# Altium PCB PCB1.PcbDoc (part 3 of 5) (continued)
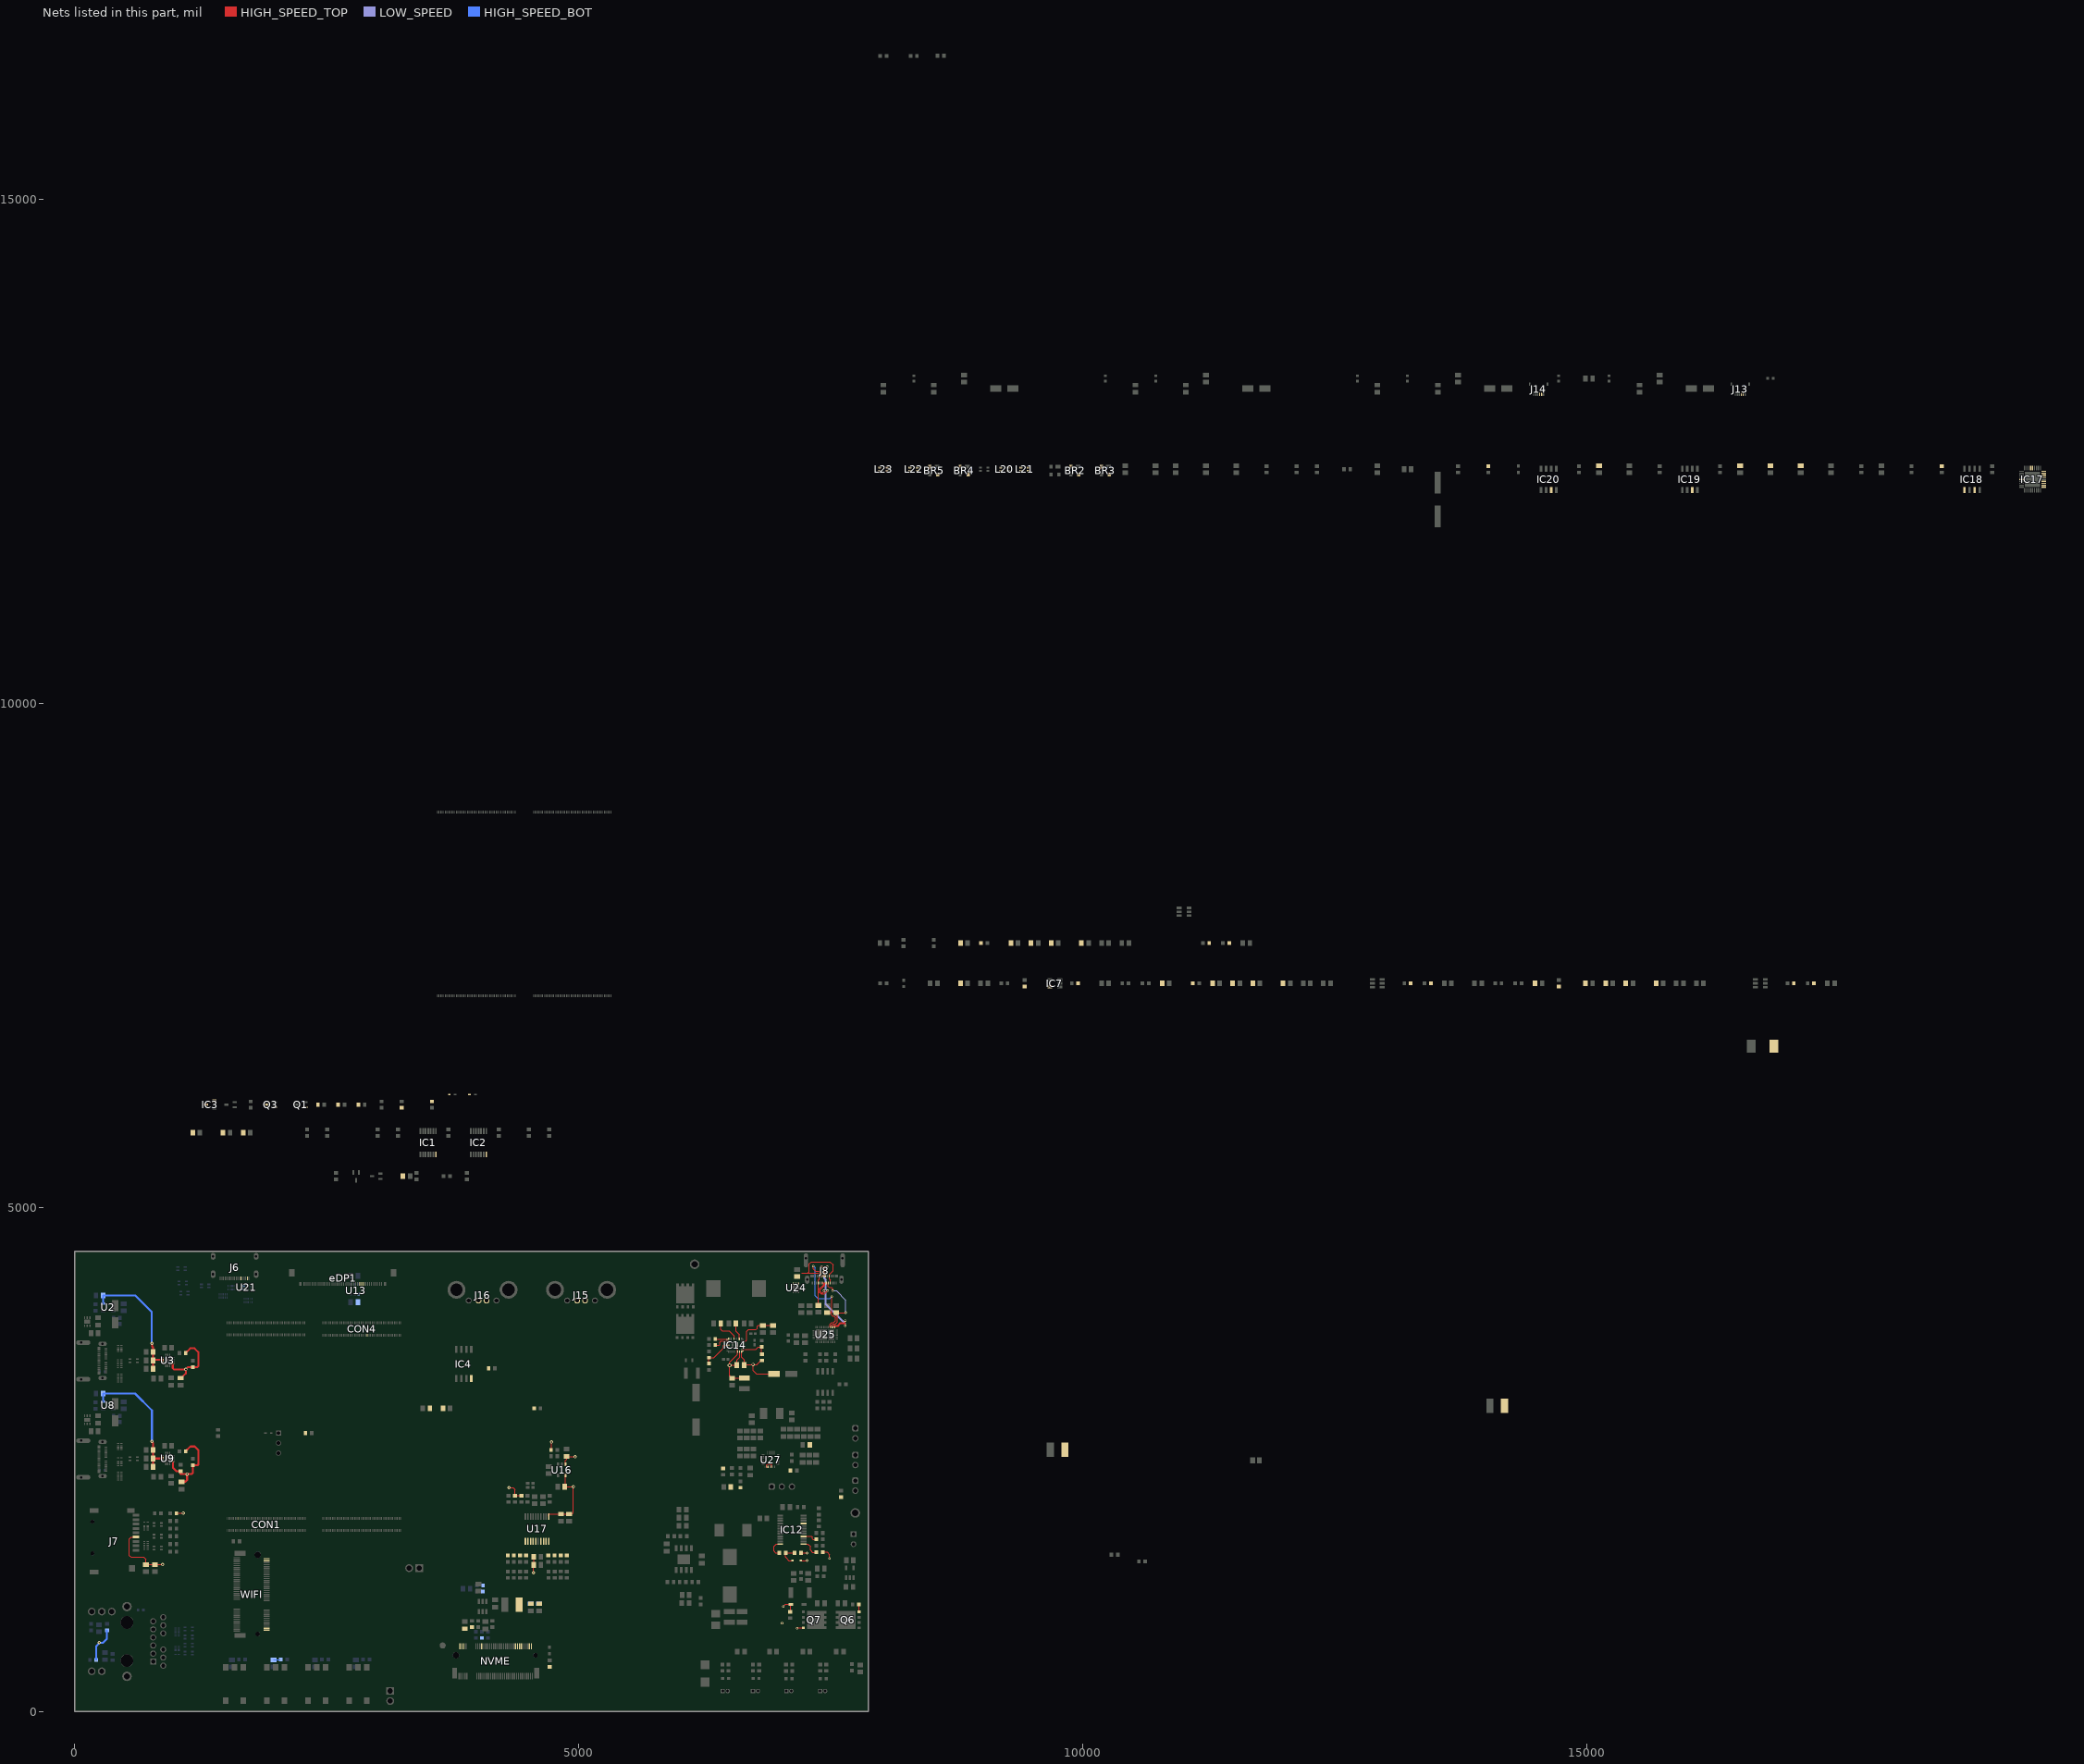
[diagram p9: the nets of this part, all layers, seen from the top]
## Part data (continued)
L11: "3.3 µH Shielded Drum Core, Wirewound Inductor 8.5 A 22mOhm Max Nonstandard", Mfr_Name=Sunlord
L12 L13 L14: "2.2 µH Shielded Drum Core, Wirewound Inductor 4.3 A 48mOhm Max Nonstandard", Manufacturer=Sunlord, Supplier Part Number=3442-WPN4020H2R2MTCT-ND, Category="Fixed Inductors", Manufacturer Part Number=WPN4020H2R2MT, Mfr_Name=Sunlord, RoHS=No, Supplier=Digikey, Type="Fixed Inductors"
L15 L24 L25 L26 L27: "Ferrite Beads Power Chip 21Ohm 30% 100MHz 6A 0.004Ohm DCR 0805 Automotive T/R", Case Code (Imperial)=0805, Case Code (Metric)=2012, Frequency=100MHz, Manufacturer="Taiyo Yuden", Manufacturer_Name="TAIYO YUDEN", Max Current Rating=6A, Max Operating Temperature=125°C, Min Operating Temperature=-40°C, Mouser Part Number=963-FBMJ2125HM210NT, Package Quantity=4000, Supplier Part Number=587-1765-1-ND, Tolerance=30%, Arrow Part Number=FBMJ2125HM210NT, Arrow Price/Stock=https://www.arrow.com/en/products/fbmj2125hm210nt/taiyo-yuden?region=nac, Case/Package=0805, Category="Ferrite Beads and Chips", ComponentLink1Description=https://datasheet.ciiva.com/6212/fbmj2125hm210nt-ss-6212912.pdf?src-supplier=Digikey, ComponentLink1URL=https://datasheet.ciiva.com/6212/fbmj2125hm210nt-ss-6212912.pdf?src-supplier=Digikey, ComponentLink2Description=https://datasheet.ciiva.com/25614/0900766b810b37be-25614411.pdf?src-supplier=Rs, ComponentLink2URL=https://datasheet.ciiva.com/25614/0900766b810b37be-25614411.pdf?src-supplier=Rs, ComponentLink3Description=https://datasheet.ciiva.com/6212/chipbeads01-e-6212908.pdf?src-supplier=Digikey, ComponentLink3URL=https://datasheet.ciiva.com/6212/chipbeads01-e-6212908.pdf?src-supplier=Digikey, ComponentLink4Description=https://datasheet.ciiva.com/6212/chipbeads01-e-6212907.pdf?src-supplier=Digikey, ComponentLink4URL=https://datasheet.ciiva.com/6212/chipbeads01-e-6212907.pdf?src-supplier=Digikey, Core Material=Ferrite, Datasheet Link=https://datasheet.datasheetarchive.com/originals/distributors/Datasheets-DGA6/557945.pdf, Depth=1.45mm, Halogen Free="Halogen Free", Height=1.05mm, Impedance=21R, Lead Free="Lead Free", Length=2mm, Manufacturer Part Number=FBMJ2125HM210NT, Manufacturer_Part_Number=FBMJ2125HM210NT, Material=Ferrite, Max DC Current=6A, Mounting Technology="Surface Mount", Mouser Price/Stock=https://www.mouser.co.uk/ProductDetail/TAIYO-YUDEN/FBMJ2125HM210NT?qs=I6KAKw0tg2zeLlwEEK9qzQ%3D%3D, Number of Lines=1, Packaging="Tape and Reel", Pins=2, Pricing="1=0.11, 10=0.081, 25=0.07, 50=0.063, 100=0.0563, 250=0.04844, 500=0.04302, 1000=0.03801 (USD)", Reach SVHC Compliant=Unknown, RoHS=Yes, RoHS Compliant=Yes, Series=FB, Shielding=Unshielded, Stock=27778, Supplier=Digikey, Termination=SMD/SMT, Test Frequency=100MHz, Width=1.25mm
L16: "Inductor, Shielded Drum Core, Powdered Iron, 1 uH, 7 A, 0.0181 ohm, SMD", Manufacturer=Vishay-Dale, Supplier Part Number 1=541-1218-1-ND, Value1="0.0181 ohm", Value2=7A, AEC Category=Q200, AEC Qualified=?, ComponentLink1Description="Datasheet link", ComponentLink1URL=http://www.vishay.com/docs/34261/lp20bz11.pdf, CompType=Inductor, DCR_ohm=0.0181, Green_EU RoHS=Passed, Green_EU RoHS-2=Passed, Green_Lifecycle=Active, Green_REACh=Passed, Imax_A=7A, Ind_H=1µH, Irms="7.5A @ 40C rise", Isat="7A @ 20% inductance drop", LatestRevisionDate=2017-06-02, Material="Powdered Iron", MountType=SMT, PackageReference=5.49x2x5.18mm, PartNumber=IHLP2020BZER1R0M11, Published=2008-06-26, Publisher="Texas Instruments", RoHS=Y, SizeArea_mm2=28.4382, SizeAreaWB_mm2=53.7782, SizeX_mm=5.49, SizeY_mm=5.18, SizeZ_mm=2, Supplier 1=Digi-Key, Technology="Shielded Drum Core"
L17: library part PA4343.822ANLT, "Inductor Power Shielded/Molded Wirewound 8.2uH 20% 100KHz 15A 0.0138Ohm DCR Automotive T/R", Manufacturer=Pulse, Manufacturer_Name="Pulse Electronics", Mouser Part Number=673-PA4343.822ANLT, Supplier Part Number=553-4028-1-ND, Arrow Part Number=PA4343.822ANLT, Arrow Price/Stock=https://www.arrow.com/en/products/pa4343.822anlt/pulse-electronics-corporation?region=nac, Category="Fixed Inductors", ComponentLink1Description=http://www.farnell.com/datasheets/2675079.pdf?src-supplier=Farnell, ComponentLink1URL=http://www.farnell.com/datasheets/2675079.pdf?src-supplier=Farnell, ComponentLink2Description=http://www.farnell.com/datasheets/2675079.pdf?src-supplier=Newark, ComponentLink2URL=http://www.farnell.com/datasheets/2675079.pdf?src-supplier=Newark, ComponentLink3Description=https://datasheet.octopart.com/PA4343.822ANLT-Pulse-datasheet-168964606.pdf?src-supplier=Master+Electronics, ComponentLink3URL=https://datasheet.octopart.com/PA4343.822ANLT-Pulse-datasheet-168964606.pdf?src-supplier=Master+Electronics, Datasheet Link=http://products.pulseelex.com/files/product_files/P793_782.pdf, Height=6.5mm, Manufacturer Part Number=PA4343.822ANLT, Manufacturer_Part_Number=PA4343.822ANLT, Mouser Price/Stock=https://www.mouser.co.uk/ProductDetail/Pulse-Electronics/PA4343.822ANLT?qs=chTDxNqvsym%252BqHcAYy%2ForA%3D%3D, Pricing="1=1.62, 10=1.331, 100=1.0943 (USD)", RoHS=Yes, Stock=1844, Supplier=Digikey
L18: "WE-LHMI SMT POWER INDUCTOR General Purpose Inductor, 4.7uH, 20%, 1 Element, Powdered Iron-Core, SMD, 4339", Case/Package=Nonstandard, Current Rating=7A, DC Resistance (DCR)=15.5mR, Frequency=16MHz, Inductance Tolerance=20%, Manufacturer="Wurth Electronics", Manufacturer_Name="Wurth Elektronik", Max Operating Temperature=125°C, Min Operating Temperature=-40°C, Mouser Part Number=710-74437368047, Package Quantity=1, Saturation Current=19A, Supplier Part Number=732-3389-1-ND, Test Frequency=100kHz, Category="Fixed Inductors", ComponentLink1Description=https://datasheet.ciiva.com/1060/74437368047-1060832.pdf?src-supplier=Digikey, ComponentLink1URL=https://datasheet.ciiva.com/1060/74437368047-1060832.pdf?src-supplier=Digikey, ComponentLink2Description=https://datasheet.ciiva.com/7691/1735873-7691597.pdf?src-supplier=Element14, ComponentLink2URL=https://datasheet.ciiva.com/7691/1735873-7691597.pdf?src-supplier=Element14, ComponentLink3Description=https://datasheet.ciiva.com/4961/74437368047-68825-4961315.pdf?src-supplier=Mouser, ComponentLink3URL=https://datasheet.ciiva.com/4961/74437368047-68825-4961315.pdf?src-supplier=Mouser, Core Material=Ferrite,Composite, Depth=10mm, ESR=15.5mR, Height=3.8mm, Height - Seated (Max)=0.157inch, Length=11mm, Manufacturer Part Number=74437368047, Manufacturer_Part_Number=74437368047, Max DC Current=7A, Mounting Technology="Surface Mount", Mouser Price/Stock=https://www.mouser.co.uk/ProductDetail/Wurth-Elektronik/74437368047?qs=cFlH0mFHHFp7ho41z0ed1Q%3D%3D, Packaging="Tape and Reel", Pricing="1=2.31, 10=2.264, 50=2.089, 100=1.9152, 250=1.82792 (USD)", Reach SVHC Compliant=Unknown, RMS Current (Irms)=7A, RoHS=Yes, RoHS Compliant=Yes, Self Resonant Frequency=16MHz, Series=WE-LHMI, Shielding=Shielded, Stock=3359, Supplier=Digikey, Termination=SMD/SMT, Tolerance=20%, Width=10mm
LED1 LED8: library part GREEN, "WL-SMCD Mono-color Chip LED Diffused, SMT, size 0603, Green, 3.2V, 140°", Case/Size Code=0603, Emitting Color=Green, Forward Voltage=3.2V, Manufacturer="Wurth Elektronik", Manufacturer Part Number=150060GS55040, Operating Temperature Max=85°C, Operating Temperature Min=-40°C, Category="Signal LEDs", Chip Technology=InGaN, ComponentLink1Description="Website Link", ComponentLink1URL=https://www.we-online.com/redexpert/article/150060GS55040?ad, ComponentLink2Description="Datasheet Link", ComponentLink2URL=https://www.we-online.com/redexpert/spec/150060GS55040?ad, Dominant Wavelength=525nm, Height=0.4mm, Length=1.6mm, Luminous Intensity=430mcd, Match Code=WL-SMCD, Mount="Surface Mount", Packaging="Tape and Reel", Peak Wavelength=520nm, Viewing Angle=140°, Width=0.8mm, Simulation ModelName=0603_150060GS55040, Simulation PortMap=(1:2),(2:1)
LED2: library part BLUE, "WL-SMCD Mono-color Chip LED Diffused, SMT, size 0603, Blue, 3.2V, 140°", Case/Size Code=0603, Emitting Color=Blue, Forward Voltage=3.2V, Manufacturer="Wurth Elektronik", Manufacturer Part Number=150060BS55040, Operating Temperature Max=85°C, Operating Temperature Min=-40°C, Category="Signal LEDs", Chip Technology=InGaN, ComponentLink1Description="Website Link", ComponentLink1URL=https://www.we-online.com/redexpert/article/150060BS55040?ad, ComponentLink2Description="Datasheet Link", ComponentLink2URL=https://www.we-online.com/redexpert/spec/150060BS55040?ad, Dominant Wavelength=470nm, Height=0.4mm, Length=1.6mm, Luminous Intensity=80mcd, Match Code=WL-SMCD, Mount="Surface Mount", Packaging="Tape and Reel", Peak Wavelength=465nm, Viewing Angle=140°, Width=0.8mm, Simulation ModelName=0603_150060BS55040, Simulation PortMap=(1:2),(2:1)
LED3 LED4 LED5 LED6 LED7: library part LED_Gr_SMD, "LED, Green, SMD", Color=green, Manufacturer=Lite-On, Power_TotalModule=100mW, Value1=0.1W, Value2=2.1V, ComponentLink1Description="Datasheet link", ComponentLink1URL=https://sps06.itg.ti.com/sites/KMS/crossdivteams/altium/docs/ComponentDatasheets/LTST-C190GKT.pdf, CompType=LED, Io_A=20mA, MountType=SMT, PackageReference=1.6x0.8x0.8mm, PartNumber=LTST-C190GKT, RoHS=Y, Type=?, Vf_V=2.1V
Mask Power Recovery Reset: "Switch Tactile OFF (ON) SPST Round Button Gull Wing 0.05A 12VDC 100000Cycles 1N SMD T/R", Manufacturer="Same Sky", Manufacturer Part Number=TS06-667-25-BK-100-G-SMT-TR, Package=None, Supplier Part Number=2223-TS06-667-25-BK-100-G-SMT-TRCT-ND, Availability=Unavailable, MF="{'manufacturer': u'CUI'}", MP=TS06-667-25-BK-100-G-SMT-TR, Price=None, Pricing="1=0.28, 10=0.246, 25=0.23, 100=0.2062, 250=0.19112, 500=0.18036 (USD)", RoHS=No, Stock=1379, Supplier=Digikey
NVME: Package=None, Availability=Unavailable, MF="Amphenol Commercial", MP=MDT420M03001, Price=None
Q1 Q3 Q4 Q5: "N-Channel 30 V 100mA (Ta) 200mW (Ta) Surface Mount SOT-323", Manufacturer_Name=MCC, Mouser Part Number=833-2SK3018-TP, Arrow Part Number=2SK3018-TP, Arrow Price/Stock=https://www.arrow.com/en/products/2sk3018-tp/micro-commercial-components?region=europe, Datasheet Link=https://mccsemi.com/pdf/Products/2SK3018(SOT-323).pdf, Height=1.2mm, Manufacturer_Part_Number=2SK3018-TP, Mouser Price/Stock=https://www.mouser.co.uk/ProductDetail/Micro-Commercial-Components-MCC/2SK3018-TP?qs=MoCBKJu1Jj0hqZl4P%2F2qSQ%3D%3D
Q2: "No Description Available", Mfr_Name=onsemi, RefDes=RefDes, Type=Type
Q6 Q7 Q8 Q9: "MOSFET N-Channel 40 V 89A (Tc) 74W (Tc) Surface Mount 8-VSONP (5x6)", Manufacturer_Name="Texas Instruments", Mouser Part Number=595-CSD18514Q5A, Arrow Part Number=CSD18514Q5A, Arrow Price/Stock=https://www.arrow.com/en/products/csd18514q5a/texas-instruments?region=nac, Datasheet Link=http://www.ti.com/lit/gpn/csd18514q5a, Height=1.1mm, Manufacturer_Part_Number=CSD18514Q5A, Mouser Price/Stock=https://www.mouser.co.uk/ProductDetail/Texas-Instruments/CSD18514Q5A?qs=34RfhUjJmKfubXTJ%252BbkIEA%3D%3D
R1 R10 R23 R90 R114 R128 R147 R148 R160 R163 R166 R167 R169 R170 R171: library part ERJ-3GEYJ104V, "100K Ohm 5%  Res Thick Film 0603 1/10W +/-200ppm/ßC Molded SMD Punched Carrier T/R", Case Code (Imperial)=0603, Case Code (Metric)=1608, Manufacturer=Panasonic, Max Operating Temperature=155°C, Max Power Dissipation=100mW, Min Operating Temperature=-55°C, Mouser Part Number=667-ERJ-3GEYJ104V, Package Quantity=1, Resistance Tolerance=5%, Resistor Type="Thick Film", Supplier Part Number=P100KGCT-ND, Temperature Coefficient=200ppm/°C, Voltage Rating=75V, Voltage Rating (DC)=50V, Arrow Part Number=ERJ-3GEYJ104V, Arrow Price/Stock=https://www.arrow.com/en/products/erj-3geyj104v/panasonic?region=nac, Case/Package=0603, Category="Chip SMD Resistors", ComponentLink1Description=https://datasheet.ciiva.com/11809/0900766b80f806dd-11809567.pdf?src-supplier=Rs, ComponentLink1URL=https://datasheet.ciiva.com/11809/0900766b80f806dd-11809567.pdf?src-supplier=Rs, ComponentLink2Description=https://datasheet.ciiva.com/22758/1678796-22758220.pdf?src-supplier=Farnell, ComponentLink2URL=https://datasheet.ciiva.com/22758/1678796-22758220.pdf?src-supplier=Farnell, ComponentLink3Description=https://datasheet.ciiva.com/43460/1678796-43460761.pdf?src-supplier=Farnell, ComponentLink3URL=https://datasheet.ciiva.com/43460/1678796-43460761.pdf?src-supplier=Farnell, ComponentLink4Description=https://datasheet.ciiva.com/24159/aoa0000ce1-37422-24159717.pdf?src-supplier=Mouser, ComponentLink4URL=https://datasheet.ciiva.com/24159/aoa0000ce1-37422-24159717.pdf?src-supplier=Mouser, ComponentLink5Description=https://datasheet.ciiva.com/46380/1678796-46380412.pdf?src-supplier=Element14, ComponentLink5URL=https://datasheet.ciiva.com/46380/1678796-46380412.pdf?src-supplier=Element14, ComponentLink6Description=https://datasheet.ciiva.com/46389/1678796-46389629.pdf?src-supplier=Element14, ComponentLink6URL=https://datasheet.ciiva.com/46389/1678796-46389629.pdf?src-supplier=Element14, ComponentLink7Description=https://datasheet.ciiva.com/27055/1988495-27055706.pdf?src-supplier=Jameco, ComponentLink7URL=https://datasheet.ciiva.com/27055/1988495-27055706.pdf?src-supplier=Jameco, ComponentLink8Description=https://datasheet.ciiva.com/16762/70255313-16762591.pdf?src-supplier=Allied+Electronics, ComponentLink8URL=https://datasheet.ciiva.com/16762/70255313-16762591.pdf?src-supplier=Allied+Electronics, ComponentLink9Description=https://datasheet.ciiva.com/16508/aoa0000ce1-16508383.pdf?src-supplier=Future+Electronics, ComponentLink9URL=https://datasheet.ciiva.com/16508/aoa0000ce1-16508383.pdf?src-supplier=Future+Electronics, Construction=Rectangular, Contact Plating=Tin, Datasheet Link=http://docs-europe.electrocomponents.com/webdocs/13ba/0900766b813ba21b.pdf, Depth=0.8mm, Features="Automotive AEC-Q200", Height=0.55mm, Length=1.6mm, Manufacturer Part Number=ERJ-3GEYJ104V, Manufacturer_Name=Panasonic, Manufacturer_Part_Number=ERJ-3GEYJ104V, Military Standard=Not, Mounting Technology="Surface Mount", Mouser Price/Stock=https://www.mouser.co.uk/ProductDetail/Panasonic/ERJ-3GEYJ104V?qs=66DK8nO8gJC7IhSuep78kw%3D%3D, Number of Terminations=2, Packaging="Tape and Reel", Power Rating=100mW, Pricing="1=0.1, 10=0.033, 50=0.02, 100=0.0165, 500=0.01096, 1000=0.00939 (USD)", Reach SVHC Compliant=No, RoHS=Yes, RoHS Compliant=Yes, Series=ERJ, Stock=248896, Supplier=Digikey, Technology="THICK FILM", Termination=SMD/SMT, Tolerance=5%, Weight=7.1E-05oz, Width=0.8mm
R2 R3 R8 R9: library part ERJ-3GEYJ682V, "6.8 kOhm, ± 5%, 100 mW, 0603 [1608 Metric], Thick Film, General Purpose", Case Code (Imperial)=0603, Case Code (Metric)=1608, Manufacturer=Panasonic, Max Operating Temperature=155°C, Max Power Dissipation=100mW, Min Operating Temperature=-55°C, Package Quantity=1, Resistance Tolerance=5%, Resistor Type="Thick Film", Supplier Part Number=P6.8KGCT-ND, Temperature Coefficient=200ppm/°C, Voltage Rating=75V, Voltage Rating (DC)=50V, Arrow Part Number=ERJ-3GEYJ682V, Arrow Price/Stock=https://www.arrow.com/en/products/erj-3geyj682v/panasonic?region=nac, Case/Package=0603, Category="Chip SMD Resistors", ComponentLink1Description=https://datasheet.ciiva.com/11821/0900766b80f806dd-11821482.pdf?src-supplier=Rs, ComponentLink1URL=https://datasheet.ciiva.com/11821/0900766b80f806dd-11821482.pdf?src-supplier=Rs, ComponentLink2Description=https://datasheet.ciiva.com/6138/1500035-6138182.pdf?src-supplier=Farnell, ComponentLink2URL=https://datasheet.ciiva.com/6138/1500035-6138182.pdf?src-supplier=Farnell, ComponentLink3Description=https://datasheet.ciiva.com/6138/1500035-6138185.pdf?src-supplier=Farnell, ComponentLink3URL=https://datasheet.ciiva.com/6138/1500035-6138185.pdf?src-supplier=Farnell, ComponentLink4Description=https://datasheet.ciiva.com/9117/aoa0000ce1-9117352.pdf?src-supplier=Avnet, ComponentLink4URL=https://datasheet.ciiva.com/9117/aoa0000ce1-9117352.pdf?src-supplier=Avnet, ComponentLink5Description=https://datasheet.ciiva.com/30143/4aoa0000ce1-30143370.pdf?src-supplier=Onlinecomponents.com, ComponentLink5URL=https://datasheet.ciiva.com/30143/4aoa0000ce1-30143370.pdf?src-supplier=Onlinecomponents.com, ComponentLink6Description=https://datasheet.ciiva.com/16770/70255313-16770365.pdf?src-supplier=Allied+Electronics, ComponentLink6URL=https://datasheet.ciiva.com/16770/70255313-16770365.pdf?src-supplier=Allied+Electronics, ComponentLink7Description=https://datasheet.ciiva.com/16780/70255313-16780234.pdf?src-supplier=Allied+Electronics, ComponentLink7URL=https://datasheet.ciiva.com/16780/70255313-16780234.pdf?src-supplier=Allied+Electronics, ComponentLink8Description=https://datasheet.ciiva.com/22704/1500035-22704127.pdf?src-supplier=Element14, ComponentLink8URL=https://datasheet.ciiva.com/22704/1500035-22704127.pdf?src-supplier=Element14, ComponentLink9Description=https://datasheet.ciiva.com/28590/1678796-28590780.pdf?src-supplier=Element14, ComponentLink9URL=https://datasheet.ciiva.com/28590/1678796-28590780.pdf?src-supplier=Element14, ComponentLink10Description=https://datasheet.ciiva.com/28673/1678796-28673997.pdf?src-supplier=Element14, ComponentLink10URL=https://datasheet.ciiva.com/28673/1678796-28673997.pdf?src-supplier=Element14, ComponentLink11Description=https://datasheet.ciiva.com/24069/aoa0000ce1-37422-24069415.pdf?src-supplier=Mouser, ComponentLink11URL=https://datasheet.ciiva.com/24069/aoa0000ce1-37422-24069415.pdf?src-supplier=Mouser, Construction=Rectangular, Contact Plating=Tin, Datasheet Link=http://docs-europe.electrocomponents.com/webdocs/13ba/0900766b813ba21b.pdf, Depth=0.8mm, Features="Automotive AEC-Q200", Height=0.55mm, Lead Free="Contains Lead", Length=1.6mm, Manufacturer Part Number=ERJ-3GEYJ682V, Manufacturer_Name=Panasonic, Manufacturer_Part_Number=ERJ-3GEYJ682V, Military Standard=Not, Mounting Technology="Surface Mount", Number of Terminations=2, Packaging="Tape and Reel", Power Rating=100mW, Pricing="1=0.1, 10=0.033, 50=0.02, 100=0.0165, 500=0.01096, 1000=0.00939 (USD)", Radiation Hardening=No, Reach SVHC Compliant=Unknown, RoHS=Yes, RoHS Compliant=Yes, Series=ERJ, Stock=78088, Supplier=Digikey, Technology="THICK FILM", Termination=SMD/SMT, Tolerance=5%, Width=0.8mm
R4 R5 R11 R12 R41 R109 R110: library part ERJ-3GEYJ222V, "2.2 kOhm, ï¿½ 5%, 100 mW, 0603 [1608 Metric], Thick Film, General Purpose", Case Code (Imperial)=0603, Case Code (Metric)=1608, Manufacturer=Panasonic, Max Operating Temperature=155°C, Max Power Dissipation=100mW, Min Operating Temperature=-55°C, Mouser Part Number=667-ERJ-3GEYJ222V, Package Quantity=1, Resistance Tolerance=5%, Resistor Type="Thick Film", Supplier Part Number=P2.2KGCT-ND, Temperature Coefficient=200ppm/°C, Voltage Rating=75V, Voltage Rating (DC)=50V, Arrow Part Number=ERJ-3GEYJ222V, Arrow Price/Stock=https://www.arrow.com/en/products/erj-3geyj222v/panasonic?region=nac, Case/Package=0603, Category="Chip SMD Resistors", ComponentLink1Description=https://datasheet.ciiva.com/11821/0900766b80f806dd-11821453.pdf?src-supplier=Rs, ComponentLink1URL=https://datasheet.ciiva.com/11821/0900766b80f806dd-11821453.pdf?src-supplier=Rs, ComponentLink2Description=https://datasheet.ciiva.com/34303/1988639-34303614.pdf?src-supplier=Jameco, ComponentLink2URL=https://datasheet.ciiva.com/34303/1988639-34303614.pdf?src-supplier=Jameco, ComponentLink3Description=https://datasheet.ciiva.com/22758/1500035-22758223.pdf?src-supplier=Farnell, ComponentLink3URL=https://datasheet.ciiva.com/22758/1500035-22758223.pdf?src-supplier=Farnell, ComponentLink4Description=https://datasheet.ciiva.com/9117/aoa0000ce1-9117127.pdf?src-supplier=Avnet, ComponentLink4URL=https://datasheet.ciiva.com/9117/aoa0000ce1-9117127.pdf?src-supplier=Avnet, ComponentLink5Description=https://datasheet.ciiva.com/28584/1678796-28584095.pdf?src-supplier=Element14, ComponentLink5URL=https://datasheet.ciiva.com/28584/1678796-28584095.pdf?src-supplier=Element14, ComponentLink6Description=https://datasheet.ciiva.com/46380/1500035-46380411.pdf?src-supplier=Element14, ComponentLink6URL=https://datasheet.ciiva.com/46380/1500035-46380411.pdf?src-supplier=Element14, ComponentLink7Description=https://datasheet.ciiva.com/16760/70255313-16760341.pdf?src-supplier=Allied+Electronics, ComponentLink7URL=https://datasheet.ciiva.com/16760/70255313-16760341.pdf?src-supplier=Allied+Electronics, ComponentLink8Description=https://datasheet.ciiva.com/16765/70255313-16765244.pdf?src-supplier=Allied+Electronics, ComponentLink8URL=https://datasheet.ciiva.com/16765/70255313-16765244.pdf?src-supplier=Allied+Electronics, ComponentLink9Description=https://datasheet.ciiva.com/16199/aoa0000ce1-16199902.pdf?src-supplier=Future+Electronics, ComponentLink9URL=https://datasheet.ciiva.com/16199/aoa0000ce1-16199902.pdf?src-supplier=Future+Electronics, Construction=Rectangular, Contact Plating=Tin, Datasheet Link=http://docs-europe.electrocomponents.com/webdocs/13ba/0900766b813ba21b.pdf, Depth=0.8mm, Features="Automotive AEC-Q200", Height=0.55mm, Lead Free="Lead Free", Length=1.6mm, Manufacturer Part Number=ERJ-3GEYJ222V, Manufacturer_Name=Panasonic, Manufacturer_Part_Number=ERJ-3GEYJ222V, Military Standard=Not, Mounting Technology="Surface Mount", Mouser Price/Stock=https://www.mouser.co.uk/ProductDetail/Panasonic/ERJ-3GEYJ222V?qs=4WZYzuGhm5pzxkuuO4fqIg%3D%3D, Number of Terminations=2, Packaging="Tape and Reel", Power Rating=100mW, Pricing="1=0.1, 10=0.033, 50=0.02, 100=0.0165, 500=0.01096, 1000=0.00939 (USD)", Radiation Hardening=No, Reach SVHC Compliant=No, RoHS=Yes, RoHS Compliant=Yes, Series=ERJ, Stock=308618, Supplier=Digikey, Technology="THICK FILM", Termination=SMD/SMT, Tolerance=5%, Width=0.8mm, Working Voltage=75V
R6 R7 R19 R20 R21 R42 R43 R74 R79 R80 R84 R85 R89 R93 R94 R98 R99 R162: library part ERJ-3GEY0R00V, "Zero Ohm Resistor, Jumper, 0603 [1608 Metric], Thick Film, 100 mW, 1 A, Surface Mount", Case Code (Imperial)=0603, Case Code (Metric)=1608, Manufacturer=Panasonic, Max Operating Temperature=155°C, Max Power Dissipation=100mW, Min Operating Temperature=-55°C, Mouser Part Number=667-ERJ-3GEY0R00V, Package Quantity=5000, Ratings=AEC-Q200, Resistor Type="Thick Film", Supplier Part Number=P0.0GCT-ND, Temperature Coefficient=200ppm/°C, Tolerance=0%, Voltage Rating=75V, Arrow Part Number=ERJ-3GEY0R00V, Arrow Price/Stock=https://www.arrow.com/en/products/erj3gey0r00v/panasonic?region=europe, Case/Package=0603, Category="Chip SMD Resistors", ComponentLink1Description=https://datasheet.ciiva.com/11808/0900766b80f806dd-11808207.pdf?src-supplier=Rs, ComponentLink1URL=https://datasheet.ciiva.com/11808/0900766b80f806dd-11808207.pdf?src-supplier=Rs, ComponentLink2Description=https://datasheet.ciiva.com/27055/1935748-27055113.pdf?src-supplier=Jameco, ComponentLink2URL=https://datasheet.ciiva.com/27055/1935748-27055113.pdf?src-supplier=Jameco, ComponentLink3Description=https://datasheet.ciiva.com/5959/1678796-5959707.pdf?src-supplier=Farnell, ComponentLink3URL=https://datasheet.ciiva.com/5959/1678796-5959707.pdf?src-supplier=Farnell, ComponentLink4Description=https://datasheet.ciiva.com/43460/1678796-43460647.pdf?src-supplier=Farnell, ComponentLink4URL=https://datasheet.ciiva.com/43460/1678796-43460647.pdf?src-supplier=Farnell, ComponentLink5Description=https://datasheet.ciiva.com/48532/aoa0000ce1-48532165.pdf?src-supplier=Avnet, ComponentLink5URL=https://datasheet.ciiva.com/48532/aoa0000ce1-48532165.pdf?src-supplier=Avnet, ComponentLink6Description=https://datasheet.ciiva.com/28695/1678796-28695833.pdf?src-supplier=Element14, ComponentLink6URL=https://datasheet.ciiva.com/28695/1678796-28695833.pdf?src-supplier=Element14, ComponentLink7Description=https://datasheet.ciiva.com/16834/aoa0000ce1-16834828.pdf?src-supplier=Future+Electronics, ComponentLink7URL=https://datasheet.ciiva.com/16834/aoa0000ce1-16834828.pdf?src-supplier=Future+Electronics, ComponentLink8Description=https://datasheet.ciiva.com/16758/70255313-16758527.pdf?src-supplier=Allied+Electronics, ComponentLink8URL=https://datasheet.ciiva.com/16758/70255313-16758527.pdf?src-supplier=Allied+Electronics, ComponentLink9Description=https://datasheet.ciiva.com/30199/4aoa0000ce1-30199822.pdf?src-supplier=Onlinecomponents.com, ComponentLink9URL=https://datasheet.ciiva.com/30199/4aoa0000ce1-30199822.pdf?src-supplier=Onlinecomponents.com, ComponentLink10Description=https://datasheet.ciiva.com/46377/1678796-46377868.pdf?src-supplier=Element14, ComponentLink10URL=https://datasheet.ciiva.com/46377/1678796-46377868.pdf?src-supplier=Element14, ComponentLink11Description=https://datasheet.ciiva.com/9198/aoa0000ce1-9198975.pdf?src-supplier=Avnet, ComponentLink11URL=https://datasheet.ciiva.com/9198/aoa0000ce1-9198975.pdf?src-supplier=Avnet, Construction=Rectangular, Contact Plating=Tin, Datasheet Link=http://docs-europe.electrocomponents.com/webdocs/13ba/0900766b813ba21b.pdf, Depth=0.8mm, Features="Automotive AEC-Q200", Height=0.55mm, Lead Free=5697LeadFree, Length=1.6mm, Manufacturer Part Number=ERJ-3GEY0R00V, Manufacturer_Name=Panasonic, Manufacturer_Part_Number=ERJ-3GEY0R00V, Military Standard=Not, Mounting Technology="Surface Mount", Mouser Price/Stock=https://www.mouser.co.uk/ProductDetail/Panasonic/ERJ-3GEY0R00V?qs=66DK8nO8gJALIOqOWgiVwg%3D%3D, Number of Terminations=2, Packaging="Tape and Reel", Power Rating=100mW, Pricing="1=0.1, 10=0.02, 25=0.0164, 50=0.0144, 100=0.0126, 250=0.0106, 500=0.00936, 1000=0.0083 (USD)", Radiation Hardening=No, Reach SVHC Compliant=No, RoHS=Yes, RoHS Compliant=Yes, Series=ERJ, Stock=766631, Supplier=Digikey, Technology="THICK FILM", Termination=SMD/SMT, Width=0.8mm
R13 R22 R26 R27 R51 R52 R55 R57 R75 R76 R77 R81 R83 R86 R88 R95 R97 R100 R102 R104 R105 R106 R108 R117 R120 R127 R129 R164: library part ERJ-3GEYJ103V, "10K Ohm 5% Res Thick Film 0603  0.1W(1/10W) ±200ppm/C Pad SMD Automotive T/R", Case Code (Imperial)=0603, Case Code (Metric)=1608, Manufacturer=Panasonic, Max Operating Temperature=155°C, Max Power Dissipation=100mW, Min Operating Temperature=-55°C, Mouser Part Number=667-ERJ-3GEYJ103V, Package Quantity=1, Resistance Tolerance=5%, Resistor Type="Thick Film", Supplier Part Number=P10KGCT-ND, Temperature Coefficient=200ppm/°C, Voltage Rating=75V, Arrow Part Number=ERJ-3GEYJ103V, Arrow Price/Stock=https://www.arrow.com/en/products/erj-3geyj103v/panasonic?region=europe, Case/Package=0603, Category="Chip SMD Resistors", ComponentLink1Description=https://datasheet.ciiva.com/11809/0900766b80f806dd-11809566.pdf?src-supplier=Rs, ComponentLink1URL=https://datasheet.ciiva.com/11809/0900766b80f806dd-11809566.pdf?src-supplier=Rs, ComponentLink2Description=https://datasheet.ciiva.com/34303/2007265-34303757.pdf?src-supplier=Jameco, ComponentLink2URL=https://datasheet.ciiva.com/34303/2007265-34303757.pdf?src-supplier=Jameco, ComponentLink3Description=https://datasheet.ciiva.com/48531/aoa0000ce1-48531887.pdf?src-supplier=Avnet, ComponentLink3URL=https://datasheet.ciiva.com/48531/aoa0000ce1-48531887.pdf?src-supplier=Avnet, ComponentLink4Description=https://datasheet.ciiva.com/9117/aoa0000ce1-9117038.pdf?src-supplier=Avnet, ComponentLink4URL=https://datasheet.ciiva.com/9117/aoa0000ce1-9117038.pdf?src-supplier=Avnet, ComponentLink5Description=https://datasheet.ciiva.com/28514/1678796-28514213.pdf?src-supplier=Element14, ComponentLink5URL=https://datasheet.ciiva.com/28514/1678796-28514213.pdf?src-supplier=Element14, ComponentLink6Description=https://datasheet.ciiva.com/46371/1678796-46371909.pdf?src-supplier=Element14, ComponentLink6URL=https://datasheet.ciiva.com/46371/1678796-46371909.pdf?src-supplier=Element14, ComponentLink7Description=https://datasheet.ciiva.com/46385/1678796-46385240.pdf?src-supplier=Element14, ComponentLink7URL=https://datasheet.ciiva.com/46385/1678796-46385240.pdf?src-supplier=Element14, ComponentLink8Description=https://datasheet.ciiva.com/24133/aoa0000ce1-37422-24133064.pdf?src-supplier=Mouser, ComponentLink8URL=https://datasheet.ciiva.com/24133/aoa0000ce1-37422-24133064.pdf?src-supplier=Mouser, ComponentLink9Description=https://datasheet.ciiva.com/16740/aoa0000ce1-16740655.pdf?src-supplier=Future+Electronics, ComponentLink9URL=https://datasheet.ciiva.com/16740/aoa0000ce1-16740655.pdf?src-supplier=Future+Electronics, ComponentLink10Description=https://datasheet.ciiva.com/30147/4aoa0000ce1-30147029.pdf?src-supplier=Onlinecomponents.com, ComponentLink10URL=https://datasheet.ciiva.com/30147/4aoa0000ce1-30147029.pdf?src-supplier=Onlinecomponents.com, Construction=Rectangular, Contact Plating=Tin, Datasheet Link=http://docs-europe.electrocomponents.com/webdocs/13ba/0900766b813ba21b.pdf, Depth=0.8mm, Features="Automotive AEC-Q200", Height=0.55mm, Lead Free="Lead Free", Length=1.6mm, Manufacturer Part Number=ERJ-3GEYJ103V, Manufacturer_Name=Panasonic, Manufacturer_Part_Number=ERJ-3GEYJ103V, Military Standard=Not, Mounting Technology="Surface Mount", Mouser Price/Stock=https://www.mouser.co.uk/ProductDetail/Panasonic/ERJ-3GEYJ103V?qs=66DK8nO8gJBWgc%252B0VNNxzg%3D%3D, Number of Terminations=2, Packaging="Tape and Reel", Power Rating=100mW, Pricing="1=0.1, 10=0.033, 50=0.02, 100=0.0165, 500=0.01096, 1000=0.00939 (USD)", Reach SVHC Compliant=No, RoHS=Yes, RoHS Compliant=Yes, Series=ERJ, Stock=2191587, Supplier=Digikey, Technology="THICK FILM", Termination=SMD/SMT, Tolerance=5%, Weight=7.1E-05oz, Width=0.8mm, Working Voltage=75V
R14 R15 R16 R17: library part ERJ-3EKF5600V, "560 Ohm, ï¿½ 1%, 100 mW, 0603 [1608 Metric], Thick Film, Precision", Case Code (Imperial)=0603, Case Code (Metric)=1608, Manufacturer=Panasonic, Max Operating Temperature=155°C, Max Power Dissipation=100mW, Max Supply Voltage=5V, Min Operating Temperature=-55°C, Min Supply Voltage=3V, Output Current=2A, Output Voltage=35V, Package Quantity=1, Resistance Tolerance=1%, Resistor Type="Thick Film", Supplier Part Number=P560HCT-ND, Temperature Coefficient=100ppm/°C, Voltage Rating=75V, Case/Package=0603, Category="Chip SMD Resistors", ComponentLink1Description=https://datasheet.ciiva.com/3883/3984280s8821682n1386-3883650.pdf?src-supplier=Arrow+Electronics, ComponentLink1URL=https://datasheet.ciiva.com/3883/3984280s8821682n1386-3883650.pdf?src-supplier=Arrow+Electronics, ComponentLink2Description=https://datasheet.ciiva.com/5860/aoa0000ce2-5860665.pdf?src-supplier=Farnell, ComponentLink2URL=https://datasheet.ciiva.com/5860/aoa0000ce2-5860665.pdf?src-supplier=Farnell, ComponentLink3Description=https://datasheet.ciiva.com/30250/aoa0000ce2-30250751.pdf?src-supplier=Onlinecomponents.com, ComponentLink3URL=https://datasheet.ciiva.com/30250/aoa0000ce2-30250751.pdf?src-supplier=Onlinecomponents.com, ComponentLink4Description=https://datasheet.ciiva.com/22674/1678782-22674427.pdf?src-supplier=Element14, ComponentLink4URL=https://datasheet.ciiva.com/22674/1678782-22674427.pdf?src-supplier=Element14, ComponentLink5Description=https://datasheet.ciiva.com/9117/aoa0000ce2-9117192.pdf?src-supplier=Avnet, ComponentLink5URL=https://datasheet.ciiva.com/9117/aoa0000ce2-9117192.pdf?src-supplier=Avnet, ComponentLink6Description=https://datasheet.ciiva.com/16763/70260748-16763150.pdf?src-supplier=Allied+Electronics, ComponentLink6URL=https://datasheet.ciiva.com/16763/70260748-16763150.pdf?src-supplier=Allied+Electronics, ComponentLink7Description=https://datasheet.ciiva.com/16781/70260748-16781128.pdf?src-supplier=Allied+Electronics, ComponentLink7URL=https://datasheet.ciiva.com/16781/70260748-16781128.pdf?src-supplier=Allied+Electronics, ComponentLink8Description=https://datasheet.ciiva.com/22737/426256-22737578.pdf?src-supplier=Element14, ComponentLink8URL=https://datasheet.ciiva.com/22737/426256-22737578.pdf?src-supplier=Element14, ComponentLink9Description=https://datasheet.ciiva.com/28590/1678782-28590766.pdf?src-supplier=Element14, ComponentLink9URL=https://datasheet.ciiva.com/28590/1678782-28590766.pdf?src-supplier=Element14, Construction=Rectangular, Contact Plating=Tin, Depth=0.8mm, Features="Automotive AEC-Q200", Height=0.022inch, Lead Free="Lead Free", Length=1.6mm, Manufacturer Part Number=ERJ-3EKF5600V, Mfr_Name=Panasonic, Military Standard=Not, Mounting Technology="Surface Mount", Number of Terminations=2, Packaging="Tape and Reel", Power Rating=100mW, Pricing="1=0.1, 10=0.035, 100=0.0177, 1000=0.01014, 2500=0.00888 (USD)", Radiation Hardening=No, Reach SVHC Compliant=No, RoHS=Yes, RoHS Compliant=Yes, Series=ERJ, Stock=100259, Supplier=Digikey, Termination=SMD/SMT, Tolerance=1%, Voltage Rating (DC)=75V, Weight=7.1E-05oz, Width=0.8mm
R18 R53: library part ERJ-3GEYJ473V, "47K Ohm 5% 1/10W 0603 200ppm/C Molded SMD Punched Carrier T/R", Case Code (Imperial)=0603, Case Code (Metric)=1608, Manufacturer=Panasonic, Max Operating Temperature=155°C, Max Power Dissipation=100mW, Min Operating Temperature=-55°C, Package Quantity=1, Resistance Tolerance=5%, Resistor Type="Thick Film", Supplier Part Number=P47KGCT-ND, Temperature Coefficient=200ppm/°C, Voltage Rating=75V, Voltage Rating (DC)=50V, Case/Package=0603, Category="Chip SMD Resistors", ComponentLink1Description=https://datasheet.ciiva.com/11821/0900766b80f806dd-11821464.pdf?src-supplier=Rs, ComponentLink1URL=https://datasheet.ciiva.com/11821/0900766b80f806dd-11821464.pdf?src-supplier=Rs, ComponentLink2Description=https://datasheet.ciiva.com/48531/aoa0000ce1-48531644.pdf?src-supplier=Avnet, ComponentLink2URL=https://datasheet.ciiva.com/48531/aoa0000ce1-48531644.pdf?src-supplier=Avnet, ComponentLink3Description=https://datasheet.ciiva.com/24024/aoa0000ce1-37422-24024310.pdf?src-supplier=Mouser, ComponentLink3URL=https://datasheet.ciiva.com/24024/aoa0000ce1-37422-24024310.pdf?src-supplier=Mouser, ComponentLink4Description=https://datasheet.ciiva.com/28587/1678796-28587208.pdf?src-supplier=Element14, ComponentLink4URL=https://datasheet.ciiva.com/28587/1678796-28587208.pdf?src-supplier=Element14, ComponentLink5Description=https://datasheet.ciiva.com/28681/1678796-28681548.pdf?src-supplier=Element14, ComponentLink5URL=https://datasheet.ciiva.com/28681/1678796-28681548.pdf?src-supplier=Element14, ComponentLink6Description=https://datasheet.ciiva.com/46377/1500035-46377557.pdf?src-supplier=Element14, ComponentLink6URL=https://datasheet.ciiva.com/46377/1500035-46377557.pdf?src-supplier=Element14, ComponentLink7Description=https://datasheet.ciiva.com/46389/1500035-46389464.pdf?src-supplier=Element14, ComponentLink7URL=https://datasheet.ciiva.com/46389/1500035-46389464.pdf?src-supplier=Element14, Construction=Rectangular, Contact Plating=Tin, Depth=0.8mm, Features="Automotive AEC-Q200", Height=0.45mm, Lead Free="Lead Free", Length=1.6mm, Manufacturer Part Number=ERJ-3GEYJ473V, Mfr_Name=Panasonic, Military Standard=Not, Mounting Technology="Surface Mount", Number of Terminations=2, Packaging="Tape and Reel", Power Rating=100mW, Pricing="1=0.1, 10=0.033, 50=0.02, 100=0.0165, 500=0.01096, 1000=0.00939 (USD)", Radiation Hardening=No, Reach SVHC Compliant=No, RoHS=Yes, RoHS Compliant=Yes, Series=ERJ, Stock=564429, Supplier=Digikey, Technology="THICK FILM", Termination=SMD/SMT, Tolerance=5%, Width=0.8mm
R24 R103 R107: library part ERA-3AEB472V, "4.7K Ohm 0.1% 0.1W 0603 ±25ppm/°C Molded SMD Punched Carrier T/R", Case Code (Imperial)=0603, Case Code (Metric)=1608, Manufacturer=Panasonic, Max Operating Temperature=155°C, Max Power Dissipation=100mW, Min Operating Temperature=-55°C, Package Quantity=5000, Ratings=AEC-Q200, Resistance Tolerance=0.1%, Resistor Type="Thin Film", Supplier Part Number=P4.7KDBCT-ND, Temperature Coefficient=25ppm/°C, Voltage Rating=75V, Case/Package=0603, Category="Chip SMD Resistors", ComponentLink1Description=https://datasheet.ciiva.com/11808/0900766b80fe20f7-11808039.pdf?src-supplier=Rs, ComponentLink1URL=https://datasheet.ciiva.com/11808/0900766b80fe20f7-11808039.pdf?src-supplier=Rs, ComponentLink2Description=https://datasheet.ciiva.com/29183/451124-da-01-en-widerstand-0603-era-29183789.pdf?src-supplier=Conrad, ComponentLink2URL=https://datasheet.ciiva.com/29183/451124-da-01-en-widerstand-0603-era-29183789.pdf?src-supplier=Conrad, ComponentLink3Description=https://datasheet.ciiva.com/22781/485442-22781497.pdf?src-supplier=Farnell, ComponentLink3URL=https://datasheet.ciiva.com/22781/485442-22781497.pdf?src-supplier=Farnell, ComponentLink4Description=https://datasheet.ciiva.com/43455/485442-43455227.pdf?src-supplier=Farnell, ComponentLink4URL=https://datasheet.ciiva.com/43455/485442-43455227.pdf?src-supplier=Farnell, ComponentLink5Description=https://datasheet.ciiva.com/9116/aoa0000ce26-9116681.pdf?src-supplier=Avnet, ComponentLink5URL=https://datasheet.ciiva.com/9116/aoa0000ce26-9116681.pdf?src-supplier=Avnet, ComponentLink6Description=https://datasheet.ciiva.com/9117/aoa0000ce26-9117707.pdf?src-supplier=Avnet, ComponentLink6URL=https://datasheet.ciiva.com/9117/aoa0000ce26-9117707.pdf?src-supplier=Avnet, ComponentLink7Description=https://datasheet.ciiva.com/48425/era-eng-tds-48425470.pdf?src-supplier=Distrelec, ComponentLink7URL=https://datasheet.ciiva.com/48425/era-eng-tds-48425470.pdf?src-supplier=Distrelec, ComponentLink8Description=https://datasheet.ciiva.com/46422/485442-46422693.pdf?src-supplier=Element14, ComponentLink8URL=https://datasheet.ciiva.com/46422/485442-46422693.pdf?src-supplier=Element14, ComponentLink9Description=https://datasheet.ciiva.com/30078/54aoa0000ce26-30078815.pdf?src-supplier=Onlinecomponents.com, ComponentLink9URL=https://datasheet.ciiva.com/30078/54aoa0000ce26-30078815.pdf?src-supplier=Onlinecomponents.com, ComponentLink10Description=https://datasheet.ciiva.com/22743/485442-22743061.pdf?src-supplier=Element14, ComponentLink10URL=https://datasheet.ciiva.com/22743/485442-22743061.pdf?src-supplier=Element14, Construction=Rectangular, Contact Plating=Tin, Depth=0.8mm, Features="Automotive AEC-Q200", Height=0.45mm, Lead Free="Lead Free", Length=1.6mm, Manufacturer Part Number=ERA-3AEB472V, Mfr_Name=Panasonic, Military Standard=Not, Mounting Technology="Surface Mount", Number of Terminations=2, Packaging="Tape and Reel", Pins=2, Power Rating=100mW, Pricing="1=0.1, 10=0.065, 50=0.0574, 100=0.0541, 500=0.0475, 1000=0.045 (USD)", Radiation Hardening=No, Reach SVHC Compliant=No, RoHS=Yes, RoHS Compliant=Yes, Series=ERA-3A, Stock=284751, Supplier=Digikey, Technology="THIN FILM", Termination=SMD/SMT, Tolerance=0.1%, Voltage Rating (DC)=75V, Width=0.8mm, Working Voltage=75V